# Altium PCB linux_board_PCB.PcbDoc (part 1 of 3) (continued)
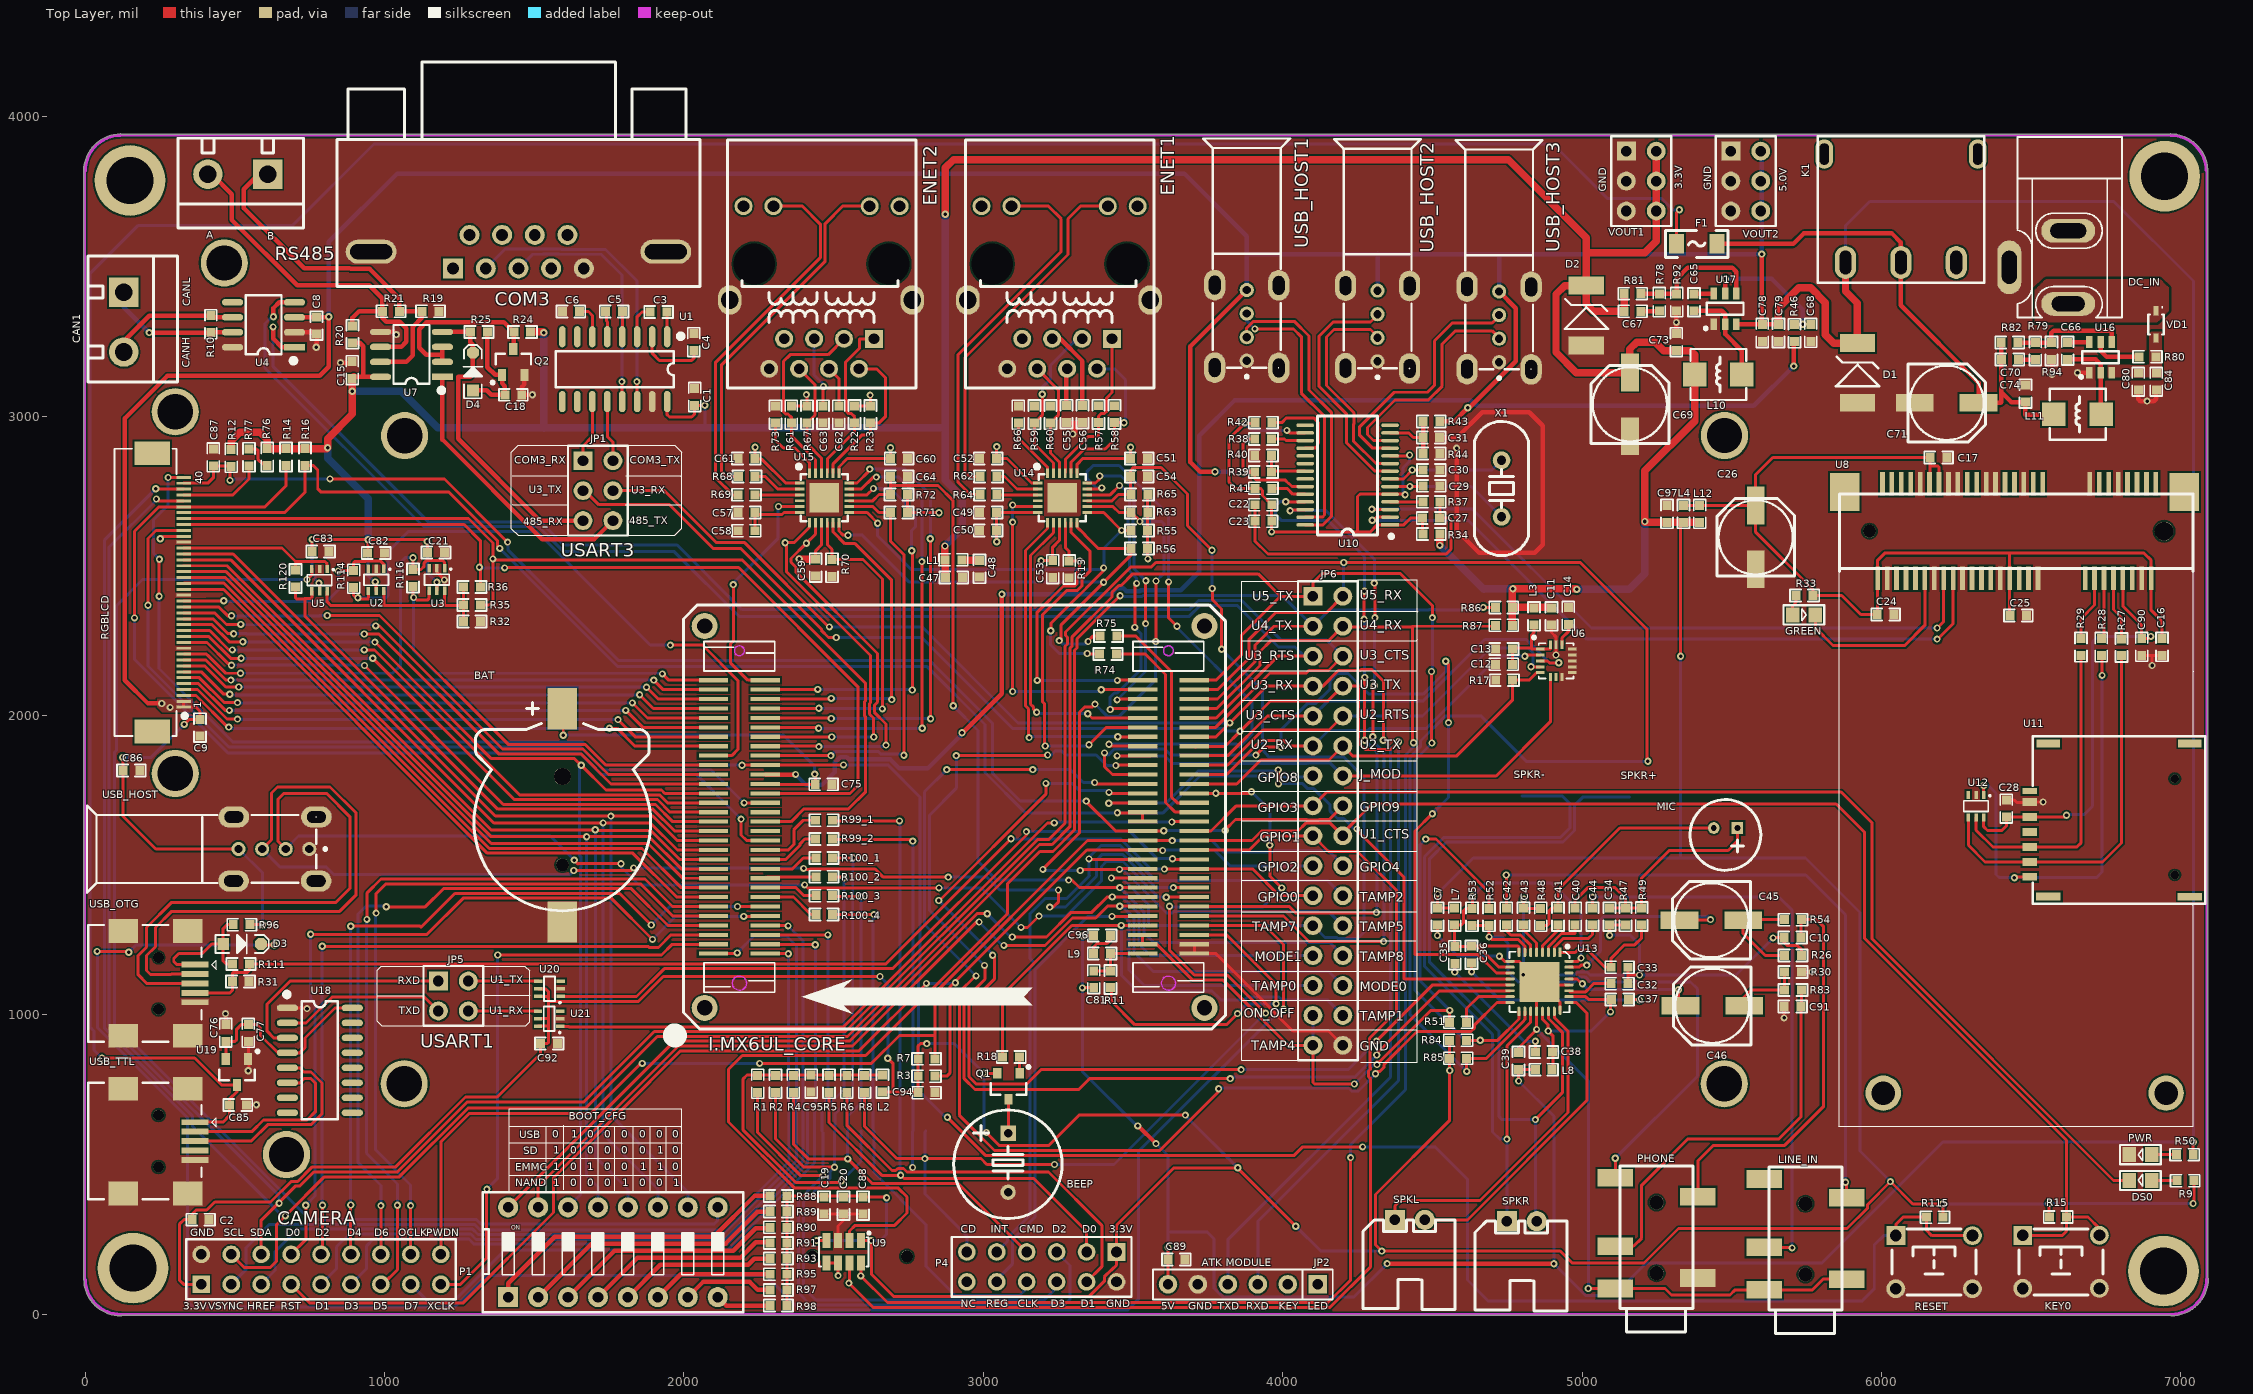
[diagram p0: Top Layer view]
## Footprints (in the part's own frame and the unit in brackets; to place one, negate y for a bottom-side part, rotate by r counter-clockwise, add the part's x,y. Pads: shape width x height; smd on the part's side, far side on the other; paste and mask are expansions set on the pad)
"BEEP 5x9x5.5" [mm]
  rect 1.3x1.3 hole 0.7: 1(0,-2.5)
  round 1.3 hole 0.7: 2(0,2.5)
  silkscreen extent -4.58,-4.47 4.62,4.72, body extent -4.5,-4.5 4.5,4.5, height 5.45
"C 0603" [mil]
  rect 30x30 smd: 1(-28.25,0) 2(28.25,0)
  silkscreen extent -48,-20 48,20, body extent -31,-16 32,16, height 32
"CM D(6.3*5.4)" [mm]
  rect 3.2x1.5 smd: 1(2.7,0) 2(-2.7,0)
  silkscreen extent -3.3,-3.3 3.3,3.3, body extent -3.5,-3.3 3.5,3.3, height 5.4
CR1220_B [mm]
  round 1.1 hole 1.1: 0(-3.6,0)
  round 1.45 hole 1.45: 0(3.9,0)
  rect 3.5x2.5 smd: 1(9.652,0) 2(-8.458,0)
  silkscreen extent -7.5,-7.5 10.16,7.5, body extent -9.42,-7.45 10.34,7.45, height 4.05
"CSW DIP-8P" [mm]
  rect 1.7x1.7 hole 0.9: 1(-8.89,-3.81)
  round 1.7 hole 0.9: 2(-6.35,-3.81) 3(-3.81,-3.81) 4(-1.27,-3.81) 5(1.27,-3.81) 6(3.81,-3.81) 7(6.35,-3.81) 8(8.89,-3.81) 9(8.89,3.81) 10(6.35,3.81) 11(3.81,3.81) 12(1.27,3.81) 13(-1.27,3.81) 14(-3.81,3.81) 15(-6.35,3.81) 16(-8.89,3.81)
  silkscreen extent -11.05,-5.08 11.05,5.08, body extent -10.94,-4.95 10.94,4.95, height 6.65
DB9/P_A [mm]
  rect 1.7x1.7 hole 1: 1(5.546,0)
  round 1.7 hole 1: 2(2.773,0) 3(0,0) 4(-2.773,0) 5(-5.546,0) 6(4.155,-2.84) 7(1.385,-2.84) 8(-1.385,-2.84) 9(-4.155,-2.84)
  oval 4.318x2.032 hole 1.27 slot 3.556 at 0 deg: 10(12.5,-1.42) 11(-12.5,-1.42)
  silkscreen extent -15.4,-17.53 15.4,1.52, body extent -15.45,-17.25 15.45,1.25, height 12.65
DC10B [mil]
  oval 80x180 hole 50 slot 110 at 90 deg: 1(419.09,170)
  oval 80x180 hole 50 slot 120 at 90 deg: 2(175,170)
  oval 180x80 hole 50 slot 110 at 0 deg: 3(297.05,-26.85)
  silkscreen extent -138,0 465,350, body extent -131,-18 422,348, height 441
FPC0.5-TOP40P [mm]
  rect 0.25x1.2 smd: 1(-9.737,-1.326) 2(-9.237,-1.326) 3(-8.737,-1.326) 4(-8.237,-1.326) 5(-7.737,-1.326) 6(-7.237,-1.326) 7(-6.737,-1.326) 8(-6.237,-1.326) 9(-5.737,-1.326) 10(-5.237,-1.326) 11(-4.737,-1.326) 12(-4.237,-1.326) 13(-3.737,-1.326) 14(-3.237,-1.326) 15(-2.737,-1.326) 16(-2.237,-1.326) 17(-1.737,-1.326) 18(-1.237,-1.326) 19(-0.737,-1.326) 20(-0.237,-1.326) 21(0.263,-1.326) 22(0.763,-1.326) 23(1.263,-1.326) 24(1.763,-1.326) 25(2.263,-1.326) 26(2.763,-1.326) 27(3.263,-1.326) 28(3.763,-1.326) 29(4.263,-1.326) 30(4.763,-1.326) 31(5.263,-1.326) 32(5.763,-1.326) 33(6.263,-1.326) 34(6.763,-1.326) 35(7.263,-1.326) 36(7.763,-1.326) 37(8.263,-1.326) 38(8.763,-1.326) 39(9.263,-1.326) 40(9.763,-1.326)
  rect 2x3 smd: A(-11.8,1.326) B(11.8,1.326)
  silkscreen extent -12.19,-1.58 12.19,4.54, body extent -12.08,-1.35 12.12,4.65, height 2
"FU 1206" [mil]
  rect 50x65 smd: 1(-67.5,0) 2(67.5,0)
  silkscreen extent -105,-45 105,45, body extent -63,-32 63,32, height 34
HDR2X6 [mm]
  rect 1.5x1.5 hole 0.9: 1(-6.35,-1.27)
  round 1.5 hole 0.9: 2(-6.35,1.27) 3(-3.81,-1.27) 4(-3.81,1.27) 5(-1.27,-1.27) 6(-1.27,1.27) 7(1.27,-1.27) 8(1.27,1.27) 9(3.81,-1.27) 10(3.81,1.27) 11(6.35,-1.27) 12(6.35,1.27)
  silkscreen extent -7.62,-2.54 7.62,2.54, body extent -7.62,-2.54 7.62,2.54, height 8.5
HDR2X9 [mm]
  rect 1.5x1.5 hole 0.9: 1(-10.16,-1.27)
  round 1.5 hole 0.9: 2(-10.16,1.27) 3(-7.62,-1.27) 4(-7.62,1.27) 5(-5.08,-1.27) 6(-5.08,1.27) 7(-2.54,-1.27) 8(-2.54,1.27) 9(0,-1.27) 10(0,1.27) 11(2.54,-1.27) 12(2.54,1.27) 13(5.08,-1.27) 14(5.08,1.27) 15(7.62,-1.27) 16(7.62,1.27) 17(10.16,-1.27) 18(10.16,1.27)
  silkscreen extent -11.43,-2.54 11.43,2.54, body extent -11.43,-2.54 11.43,2.54, height 8.5
HDR-2X2 [mm]
  rect 1.6x1.6 hole 0.9: 1(0,0)
  round 1.6 hole 0.9: 2(0,2.54) 3(2.54,0) 4(2.54,2.54)
  silkscreen extent -1.27,-1.27 3.81,3.81, body extent -1.27,-1.27 3.81,3.81, height 8.5
HDR-3X2 [mm]
  rect 1.6x1.6 hole 0.9: 1(0,0)
  round 1.6 hole 0.9: 2(0,2.54) 3(2.54,0) 4(2.54,2.54) 5(5.08,0) 6(5.08,2.54)
  silkscreen extent -1.27,-1.27 6.35,3.81, body extent -1.27,-1.27 6.35,3.81, height 8.5
HDR-16X2 [mm]
  rect 1.6x1.6 hole 0.9: 1(0,0)
  round 1.6 hole 0.9: 2(0,2.54) 3(2.54,0) 4(2.54,2.54) 5(5.08,0) 6(5.08,2.54) 7(7.62,0) 8(7.62,2.54) 9(10.16,0) 10(10.16,2.54) 11(12.7,0) 12(12.7,2.54) 13(15.24,0) 14(15.24,2.54) 15(17.78,0) 16(17.78,2.54) 17(20.32,0) 18(20.32,2.54) 19(22.86,0) 20(22.86,2.54) 21(25.4,0) 22(25.4,2.54) 23(27.94,0) 24(27.94,2.54) 25(30.48,0) 26(30.48,2.54) 27(33.02,0) 28(33.02,2.54) 29(35.56,0) 30(35.56,2.54) 31(38.1,0) 32(38.1,2.54)
  silkscreen extent -1.27,-1.27 39.37,3.81, body extent -1.27,-1.27 39.37,3.81, height 8.5
HEAD6 [mil]
  rect 62x62 hole 35: 1(0.42,0.43)
  round 62 hole 35: 2(100.42,0.43) 3(200.42,0.43) 4(300.42,0.43) 5(400.42,0.43) 6(500.42,0.43)
  silkscreen extent -50,-50 550,51, body extent -50,-50 550,50, height 335
I.MX6UL_CORE [mm]
  round 2.2 hole 1.3: 0(-16.2,-21.2) 0(-16.2,21.2) 0(16.2,-21.2) 0(16.2,21.2)
  rect 0.35x2.5 smd: J1_1(-11.6,20.45) J1_2(-10.8,20.45) J1_3(-10,20.45) J1_4(-9.2,20.45) J1_5(-8.4,20.45) J1_6(-7.6,20.45) J1_7(-6.8,20.45) J1_8(-6,20.45) J1_9(-5.2,20.45) J1_10(-4.4,20.45) J1_11(-3.6,20.45) J1_12(-2.8,20.45) J1_13(-2,20.45) J1_14(-1.2,20.45) J1_15(-0.4,20.45) J1_16(0.4,20.45) J1_17(1.2,20.45) J1_18(2,20.45) J1_19(2.8,20.45) J1_20(3.6,20.45) J1_21(4.4,20.45) J1_22(5.2,20.45) J1_23(6,20.45) J1_24(6.8,20.45) J1_25(7.6,20.45) J1_26(8.4,20.45) J1_27(9.2,20.45) J1_28(10,20.45) J1_29(10.8,20.45) J1_30(11.6,20.45) J1_31(11.6,16.05) J1_32(10.8,16.05) J1_33(10,16.05) J1_34(9.2,16.05) J1_35(8.4,16.05) J1_36(7.6,16.05) J1_37(6.8,16.05) J1_38(6,16.05) J1_39(5.2,16.05) J1_40(4.4,16.05) J1_41(3.6,16.05) J1_42(2.8,16.05) J1_43(2,16.05) J1_44(1.2,16.05) J1_45(0.4,16.05) J1_46(-0.4,16.05) J1_47(-1.2,16.05) J1_48(-2,16.05) J1_49(-2.8,16.05) J1_50(-3.6,16.05) J1_51(-4.4,16.05) J1_52(-5.2,16.05) J1_53(-6,16.05) J1_54(-6.8,16.05) J1_55(-7.6,16.05) J1_56(-8.4,16.05) J1_57(-9.2,16.05) J1_58(-10,16.05) J1_59(-10.8,16.05) J1_60(-11.6,16.05) J2_1(-11.6,-15.95) J2_2(-10.8,-15.95) J2_3(-10,-15.95) J2_4(-9.2,-15.95) J2_5(-8.4,-15.95) J2_6(-7.6,-15.95) J2_7(-6.8,-15.95) J2_8(-6,-15.95) J2_9(-5.2,-15.95) J2_10(-4.4,-15.95) J2_11(-3.6,-15.95) J2_12(-2.8,-15.95) J2_13(-2,-15.95) J2_14(-1.2,-15.95) J2_15(-0.4,-15.95) J2_16(0.4,-15.95) J2_17(1.2,-15.95) J2_18(2,-15.95) J2_19(2.8,-15.95) J2_20(3.6,-15.95) J2_21(4.4,-15.95) J2_22(5.2,-15.95) J2_23(6,-15.95) J2_24(6.8,-15.95) J2_25(7.6,-15.95) J2_26(8.4,-15.95) J2_27(9.2,-15.95) J2_28(10,-15.95) J2_29(10.8,-15.95) J2_30(11.6,-15.95) J2_31(11.6,-20.35) J2_32(10.8,-20.35) J2_33(10,-20.35) J2_34(9.2,-20.35) J2_35(8.4,-20.35) J2_36(7.6,-20.35) J2_37(6.8,-20.35) J2_38(6,-20.35) J2_39(5.2,-20.35) J2_40(4.4,-20.35) J2_41(3.6,-20.35) J2_42(2.8,-20.35) J2_43(2,-20.35) J2_44(1.2,-20.35) J2_45(0.4,-20.35) J2_46(-0.4,-20.35) J2_47(-1.2,-20.35) J2_48(-2,-20.35) J2_49(-2.8,-20.35) J2_50(-3.6,-20.35) J2_51(-4.4,-20.35) J2_52(-5.2,-20.35) J2_53(-6,-20.35) J2_54(-6.8,-20.35) J2_55(-7.6,-20.35) J2_56(-8.4,-20.35) J2_57(-9.2,-20.35) J2_58(-10,-20.35) J2_59(-10.8,-20.35) J2_60(-11.6,-20.35)
  Top Layer keep-out circle w0.127: c-14.1,18.25 r0.6
  Top Layer keep-out circle w0.127: c14.1,18.25 r0.42
  Top Layer keep-out circle w0.127: c14.1,-18.15 r0.42
  Top Layer keep-out circle w0.127: c-14.1,-18.15 r0.6
  silkscreen extent -19.04,-23 18,24.23, body extent -14.9,-21.16 14.9,21.29, height 5.65
KF301-2P [mm]
  rect 2.5x2.5 hole 1.5: 1(0,0)
  round 2.5 hole 1.5: 2(5.08,0)
  silkscreen extent -3.05,-3.05 7.62,4.57, body extent -2.87,-3 7.63,4.6, height 10.05
"L 0603" [mil]
  rect 30x30 smd mask+2: 1(-28.25,0) 2(28.25,0)
  silkscreen extent -48,-20 48,20, body extent -32,-16 31,16, height 31
L-SMD-0420 [mm]
  rect 2x2 smd: 1(-2,0) 2(2,0)
  silkscreen extent -2.39,-2.16 2.36,2.17, body extent -2.26,-2.06 2.24,2.04, height 1.91
"LED 0805R" [mil]
  rect 45x50 smd: 1(-40,0) 2(36.01,0)
  silkscreen extent -70,-32 66,32, body extent -39,-25 39,25, height 32
LGA-16-3*3*0.75 [mm]
  rect 0.7x0.25 smd: 1(-0.09,0) 2(-0.09,-0.5) 3(-0.09,-1) 4(-0.09,-1.5) 5(-0.09,-2) 9(2.64,-2) 10(2.64,-1.5) 11(2.64,-1) 12(2.64,-0.5) 13(2.64,0)
  rect 0.25x0.7 smd: 6(0.775,-2.365) 7(1.275,-2.365) 8(1.775,-2.365) 14(1.775,0.365) 15(1.275,0.365) 16(0.775,0.365)
  silkscreen extent -0.74,-2.5 2.74,1.11, body extent -0.29,-2.55 2.82,0.55, height 0.76
MIC-6022 [mm]
  rect 1x1 hole 0.5: 1(0,0)
  round 1 hole 0.5: 2(2,0)
  silkscreen extent -1.99,-2.41 4.01,3.58
"Micro SD" [mm]
  rect 2.032x2.2 smd: 0(0,0) 0(15.5,0)
  rect 1.2x1.4 smd: 0(0,9.6)
  round 1 hole 1 unplated: 0(2.9,-0.4) 0(10.9,-0.4)
  rect 1.6x1.4 smd: 0(14.7,9.6)
  rect 0.7x1.8 smd: 1(10.1,10.227) 2(9,10.227) 3(7.9,10.227) 4(6.8,10.227) 5(5.7,10.227) 6(4.6,10.227) 7(3.5,10.227) 8(2.4,10.227) 9(1.3,10.227)
  silkscreen extent -0.72,-4.68 16.27,11.75, body extent -0.27,-4.63 16,10.57, height 1.8
"Mini PCIE 52P" [mm]
  rect 0.4x2 smd: 1(26.419,8.465) 2(26.019,0.444) 3(25.619,8.465) 4(25.219,0.444) 5(24.819,8.465) 6(24.419,0.444) 7(24.019,8.465) 8(23.619,0.444) 9(23.219,8.465) 10(22.819,0.444) 11(22.419,8.465) 12(22.019,0.444) 13(21.619,8.465) 14(21.219,0.444) 15(20.819,8.465) 16(20.419,0.444) 17(16.819,8.465) 18(16.419,0.444) 19(16.019,8.465) 20(15.619,0.444) 21(15.219,8.465) 22(14.819,0.444) 23(14.419,8.465) 24(14.019,0.444) 25(13.619,8.465) 26(13.219,0.444) 27(12.819,8.465) 28(12.419,0.444) 29(12.019,8.465) 30(11.619,0.444) 31(11.219,8.465) 32(10.819,0.444) 33(10.419,8.465) 34(10.019,0.444) 35(9.619,8.465) 36(9.219,0.444) 37(8.819,8.465) 38(8.419,0.444) 39(8.019,8.465) 40(7.619,0.444) 41(7.219,8.465) 42(6.819,0.444) 43(6.419,8.465) 44(6.019,0.444) 45(5.619,8.465) 46(5.219,0.444) 47(4.819,8.465) 48(4.419,0.444) 49(4.019,8.465) 50(3.619,0.444) 51(3.219,8.465) 52(2.819,0.444)
  round 1.1 hole 1.1 unplated: k1(2.119,4.444)
  round 1.6 hole 1.6 unplated: k2(27.119,4.444)
  rect 2.5x3.2 smd: k3(0.019,7.765) k4(28.819,7.765)
  silkscreen extent -0.43,1.04 29.57,7.59
"Nano SIM 7P" [mm]
  rect 2.1x0.7 smd: 1(1.565,-1.67)
  rect 2x0.65 smd: 2(1.565,11.32) 3(13.565,11.32)
  rect 2.1x0.65 smd: 4(13.565,-1.67)
  rect 1.23x0.65 smd: C1(0,5.08) C2(0,2.54) C3(0,0) C5(0,6.35) C6(0,3.81) C7(0,1.27)
  rect 1.23x0.5 smd: C4(0,7.3)
  silkscreen extent 0.25,-2.29 14.86,11.94
PJ327A [mm]
  round 1.2 hole 1.2 unplated: 0(3,0) 0(9,0)
  rect 1.5x3 smd: 2(9.5,-3.5) 3(2.6,-3.5) 4(1.7,3.5) 5(5.3,3.5) 6(11.1,3.5)
  silkscreen extent -2,-3.1 12.1,3.1, body extent -1.95,-4.55 12.1,4.45, height 4.8
PKEY [mm]
  oval 2.8x1.8 hole 1 slot 2 at 0 deg: 1(-0.181,0.15) 2(-0.181,-4.55) 3(-0.181,-9.25)
  oval 2.5x1.5 hole 0.8 slot 1.8 at 0 deg: ""(9.017,-11.068) ""(9.017,1.951)
  silkscreen extent -1.91,-11.63 10.54,2.49
QFN8 [mm]
  rect 0.7x1.3 smd: 1(-1.455,-0.953) 2(-0.485,-0.953) 3(0.485,-0.953) 4(1.455,-0.953) 5(1.455,0.953) 6(0.485,0.953) 7(-0.485,0.953) 8(-1.455,0.953)
  silkscreen extent -2.24,-1.69 2.11,1.26
QFN24 [mm]
  rect 0.8x0.25 smd: 1(-2.101,1.25) 2(-2.101,0.75) 3(-2.101,0.25) 4(-2.101,-0.25) 5(-2.101,-0.75) 6(-2.101,-1.25) 13(2.101,-1.25) 14(2.101,-0.75) 15(2.101,-0.25) 16(2.101,0.25) 17(2.101,0.75) 18(2.101,1.25)
  rect 0.25x0.8 smd: 7(-1.25,-2.101) 8(-0.75,-2.101) 9(-0.25,-2.101) 10(0.25,-2.101) 11(0.75,-2.101) 12(1.25,-2.101) 19(1.25,2.101) 20(0.75,2.101) 21(0.25,2.101) 22(-0.25,2.101) 23(-0.75,2.101) 24(-1.25,2.101)
  rect 2.5x2.5 smd: 25(0,0)
  silkscreen extent -2.31,-2 2,2.79, body extent -2,-2 2,2, height 0.9
"QFN32 5x5_L" [mm]
  rect 0.25x0.8 smd: 1(-1.751,-2.5)
  oval 0.25x0.8 smd: 2(-1.25,-2.5) 3(-0.75,-2.5) 4(-0.25,-2.5) 5(0.25,-2.5) 6(0.75,-2.5) 7(1.25,-2.5) 8(1.75,-2.5) 17(1.75,2.5) 18(1.25,2.5) 19(0.75,2.5) 20(0.25,2.5) 21(-0.25,2.5) 22(-0.75,2.5) 23(-1.25,2.5) 24(-1.75,2.4)
  oval 0.8x0.25 smd: 9(2.5,-1.75) 10(2.5,-1.25) 11(2.5,-0.75) 12(2.5,-0.25) 13(2.5,0.25) 14(2.5,0.75) 15(2.5,1.25) 16(2.5,1.75) 25(-2.5,1.75) 26(-2.5,1.25) 27(-2.5,0.75) 28(-2.5,0.25) 29(-2.5,-0.25) 30(-2.5,-0.75) 31(-2.5,-1.25) 32(-2.5,-1.75)
  rect 3.4x3.4 smd: 33(0,0)
  silkscreen extent -2.55,-3.12 2.55,2.57, body extent -2.5,-2.5 2.5,2.5, height 0.93
"R 0603" [mil]
  rect 30x30 smd: 1(-28.25,0) 2(28.25,0)
  silkscreen extent -48,-20 49,20, body extent -32,-16 31,16, height 16
RJ-45A12 [mil]
  round 130 hole 137.8: 0(-192.91,485.83) 0(-192.91,35.83)
  rect 60x60 hole 35.43: 1(-442.91,85.83)
  round 60 hole 35.43: 2(-542.91,135.83) 3(-442.91,185.83) 4(-542.91,235.83) 5(-442.91,285.83) 6(-542.91,335.83) 7(-442.91,385.83) 8(-542.91,435.83)
  round 60 hole 40: 9(0,0) 10(0,100) 11(0,421.65) 12(0,521.65)
  oval 98.43x78.74 hole 59.06: 13(-312.99,-42.13) 14(-312.99,567.32)
  silkscreen extent -608,-54 222,576, body extent -605,-53 237,572, height 59
SMBJ [mm]
  rect 1.5x3 smd: 1(-2.413,0) 2(2.667,0)
  silkscreen extent -1.02,-1.85 1.52,1.83, body extent -2.67,-2.03 2.92,1.91, height 2.44
SOD323 [mm] "SODFL, 2-Leads, Body 1.25x2.50mm, IPC Medium Density"
  rect 0.8x0.45 smd: 1(-1.15,0) 2(1.15,0)
  silkscreen extent -1.5,-0.65 0.85,0.65, body extent -1.25,-0.65 1.25,0.65, height 1.05
SOD-123F [mm]
  rect 1x1 smd: 1(-1.6,0)
  oct 1x1 smd: 2(1.6,0)
  silkscreen extent -2.26,-0.84 2.26,0.81, body extent -1.9,-0.8 1.9,0.8, height 1.15
SOP8_N [mm]
  rect 1.8x0.55 smd: 1(-2.625,1.905)
  oval 1.8x0.55 smd: 2(-2.625,0.635) 3(-2.625,-0.635) 4(-2.625,-1.905) 5(2.625,-1.905) 6(2.625,-0.635) 7(2.625,0.635) 8(2.625,1.905)
  silkscreen extent -2.69,-2.5 1.52,3.2, body extent -3,-2.5 3,2.5, height 1.9
SOP16_N [mm]
  oval 1.8x0.55 smd: 1(-2.75,4.445) 2(-2.75,3.175) 3(-2.75,1.905) 4(-2.75,0.635) 5(-2.75,-0.635) 6(-2.75,-1.905) 7(-2.75,-3.175) 8(-2.75,-4.445) 9(2.75,-4.445) 10(2.75,-3.175) 11(2.75,-1.905) 12(2.75,-0.635) 13(2.75,0.635) 14(2.75,1.905) 15(2.75,3.175) 16(2.75,4.445)
  silkscreen extent -2.95,-5 1.52,5.74, body extent -3,-5 3,5, height 1.9
SOT23-3L [mm]
  rect 0.7x0.9 smd: 1(-0.95,-1.1) 2(0.95,-1.1) 3(0,1.1)
  silkscreen extent -1.82,-1.78 1.5,0.71, body extent -1.5,-1.19 1.5,1.21, height 1.05
SOT23-3N [mm]
  rect 0.7x1 smd: 1(-0.95,-1.1) 2(0.95,-1.1) 3(0,1.1)
  silkscreen extent -1.88,-1.88 1.5,0.7, body extent -1.5,-1.2 1.5,1.2, height 1.05
SOT23-6N [mm]
  rect 1x0.55 smd: 1(1.3,-0.95) 2(1.3,0) 3(1.3,0.95) 4(-1.3,0.95) 5(-1.3,0) 6(-1.3,-0.95)
  silkscreen extent -0.51,-1.78 1.78,1.55, body extent -1.4,-1.5 1.4,1.5, height 1.15
SOT363-6L [mm]
  rect 0.7x0.3 smd: 1(-0.95,0.65) 2(-0.95,0) 3(-0.95,-0.65) 4(0.95,-0.65) 5(0.95,0) 6(0.95,0.65)
  silkscreen extent -0.97,-1.04 0.46,1.24, body extent -1.05,-1 1.05,1, height 1
SSOP28_L [mm]
  rect 1.5x0.3 smd: 1(-3.6,4.225)
  oval 1.5x0.3 smd: 2(-3.6,3.575) 3(-3.6,2.925) 4(-3.6,2.275) 5(-3.6,1.625) 6(-3.6,0.975) 7(-3.6,0.325) 8(-3.6,-0.325) 9(-3.6,-0.975) 10(-3.6,-1.625) 11(-3.6,-2.275) 12(-3.6,-2.925) 13(-3.6,-3.575) 14(-3.6,-4.225) 15(3.6,-4.225) 16(3.6,-3.575) 17(3.6,-2.925) 18(3.6,-2.275) 19(3.6,-1.625) 20(3.6,-0.975) 21(3.6,-0.325) 22(3.6,0.325) 23(3.6,0.975) 24(3.6,1.625) 25(3.6,2.275) 26(3.6,2.925) 27(3.6,3.575) 28(3.6,4.225)
  silkscreen extent -3.83,-5 2.54,5.33, body extent -3.85,-5.1 3.85,5.1, height 1.65
TP-1.5 [mm]
  rrect50% 1.5x1.5 smd far side: 1(0,0)
"TSW DIP-6*6*5 - 2" [mm]
  rect 1.6x1.6 hole 1: 1(-3.25,2.25)
  round 1.6 hole 1: 1(3.25,2.25) 2(-3.25,-2.25) 2(3.25,-2.25)
  silkscreen extent -3.56,-2.79 3.56,2.79, body extent -4.11,-3 4.11,3, height 4.95
USB-A/S_E [mm]
  round 1.2 hole 0.7: 1(3.094,0) 2(1.094,0) 3(-0.906,0) 4(-2.906,0)
  oval 2.6x1.8 hole 1 slot 1.6 at 0 deg: 5(-3.513,-2.718) 5(-3.487,2.718) 5(3.487,-2.718) 5(3.513,2.718)
  silkscreen extent -4.38,-3.68 15.95,3.7, body extent -4.07,-3.61 15.18,3.64, height 14.45
USB-MINI-A [mm]
  rect 0.5x2.3 smd: 1(-1.6,3.108) 2(-0.8,3.108) 3(0,3.108) 4(0.8,3.108) 5(1.6,3.108)
  rect 2x2.5 smd: 5(-4.45,2.5) 5(-4.45,-3) 5(4.45,2.5) 5(4.45,-3)
  round 0.9 hole 0.9 unplated: MH1(2.2,0) MH2(-2.2,0)
  silkscreen extent -4.95,-5.95 4.95,4.89, body extent -4.75,-6 4.75,3.7, height 3.95
XH2.54-2P_H [mm]
  rect 1.7x1.7 hole 0.9: 1(0,0)
  round 1.7 hole 0.9: 2(2.54,0)
  silkscreen extent -2.72,-7.62 5.08,0, body extent -2.5,-7.35 5.04,0.35, height 5.73
"XTAL-49S DIP" [mm]
  round 1.5 hole 0.8: 1(-2.4,0) 2(2.4,0)
  silkscreen extent -5.7,-2.28 5.7,2.28, body extent -5.68,-2.35 5.68,2.3, height 3.5

## Part data
BAT: library part CR-3V, "微型电池", BOM名称=微型电池, 学习资源=www.ooocke.com, 版权归属=源创客
BEEP: "蜂鸣器", BOM名称=蜂鸣器, 学习资源=www.ooocke.com, 版权归属=源创客
BOOT_CFG: "8路编码开关", BOM名称=8路编码开关, 学习资源=www.ooocke.com, 版权归属=源创客
C1 C2 C3 C4 C5 C6 C7 C8 C9 C10 C11 C12 C13 C14 C15 C16 C17 C18 C19 C20 C21 C22 C23 C24 C25 C27 C28 C29 C30 C31 C32 C33 C34 C35 C36 C37 C38 C39 C40 C41 C42 C43 C44 C47 C48 C49 C50 C51 C52 C53 C54 C55 C56 C57 C58 C59 C60 C61 C62 C63 C64 C65 C66 C67 C68 C70 C73 C74 C75 C76 C77 C78 C79 C80 C81 C82 C83 C84 C85 C86 C87 C88 C89 C90 C91 C92 C94 C95 C96 C97: library part C
C26 C45 C46 C69 C71: library part C-CM, "贴片电解电容", BOM名称=贴片电解电容, 学习资源=www.ooocke.com, 版权归属=源创客
CAN1 RS485: library part HEAD2
COM3: library part DB9, "9针串口", BOM名称=9针串口, 学习资源=www.ooocke.com, 版权归属=源创客
D1 D2: library part SMBJ, "TVS"
D3 D4 VD1: library part SS14, "肖特基二极管", BOM名称=肖特基二极管, 学习资源=www.ooocke.com, 属性=40V/1A, 版权归属=源创客
DC_IN: library part P-DC, "低压电源接口", BOM名称=DC电源接口, 学习资源=www.ooocke.com, 版权归属=源创客
DS0 GREEN PWR: library part LED-SMD, "贴片LED", BOM名称=贴片LED, 学习资源=www.ooocke.com, 版权归属=源创客
ENET1 ENET2: "带灯以太网接口", BOM名称=带灯以太网接口, 学习资源=www.ooocke.com, 版权归属=源创客
F1: library part FU, "贴片保险丝", BOM名称=贴片保险丝, 学习资源=www.ooocke.com, 版权归属=源创客
I.MX6UL_CORE: library part I.MX6UL核心板, "I.MX6UL核心板"
JP1 VOUT1 VOUT2: library part "Header 3X2", "3*2P接插件", BOM名称=3*2P接插件, 学习资源=www.ooocke.com, 版权归属=源创客
JP2: library part ATK-HC05, "ATK-HC05"
JP5: library part "Header 2X2", "2*2P接插件", BOM名称=2*2P接插件, 学习资源=www.ooocke.com, 版权归属=源创客
JP6: library part "Header 16X2", "16*2P接插件", BOM名称=16*2P接插件, 学习资源=www.ooocke.com, 版权归属=源创客
K1: library part PKEY
KEY0 RESET: "按键", BOM名称=3x6轻触开关, 学习资源=www.ooocke.com, 版权归属=源创客
L1 L2 L3 L4 L7 L8 L9 L12: library part L, "小功率贴片电感磁珠", BOM名称=小功率贴片电感, 学习资源=www.ooocke.com, 版权归属=源创客
L10 L11: library part L-CDRH, "功率屏蔽电感", BOM名称=功率屏蔽电感, 学习资源=www.ooocke.com, 版权归属=源创客
P1: "Header, 9-Pin, Dual row", LatestRevisionDate=17-Jul-2002, LatestRevisionNote="Re-released for DXP Platform.", Publisher="Altium Limited"
P4: "Header, 6-Pin, Dual row", LatestRevisionDate=17-Jul-2002, LatestRevisionNote="Re-released for DXP Platform.", Publisher="Altium Limited"
Q1: library part 8550-SMD, "高频放大-PNP型", BOM名称=高频放大-PNP型, 学习资源=www.ooocke.com, 属性="40V 1.5A 1W 100MHZ", 版权归属=源创客
Q2: library part 8050-SMD, "高频放大-NPN型", BOM名称=高频放大-NPN型, 学习资源=www.ooocke.com, 属性="40V 1.5A 1W 100MHZ", 版权归属=源创客
R1 R2 R3 R4 R5 R6 R7 R8 R9 R10 R11 R12 R13 R14 R15 R16 R17 R18 R19 R20 R21 R22 R23 R24 R25 R26 R27 R28 R29 R30 R31 R32 R33 R34 R35 R36 R37 R38 R39 R40 R41 R42 R43 R44 R46 R47 R48 R49 R50 R51 R52 R53 R54 R55 R56 R57 R58 R59 R60 R61 R62 R63 R64 R65 R66 R67 R68 R69 R70 R71 R72 R73 R74 R75 R76 R77 R78 R79 R80 R81 R82 R83 R84 R85 R86 R87 R88 R89 R90 R91 R92 R93 R94 R95 R96 R97 R98 R99_1 R99_2 R100_1 R100_2 R100_3 R100_4 R111 R114 R115 R116 R120: library part R
RGBLCD: "16*2P接插件", BOM名称=16*2P接插件, 学习资源=www.ooocke.com, 版权归属=源创客
SPKL SPKR: library part "Header 2", "2P接插件", BOM名称=2P接插件, 学习资源=www.ooocke.com, 版权归属=源创客
SPKR+ SPKR-: library part TEST-POINT, "测试点"
TF_CARD: "Micro SD卡", BOM名称="Micro SD卡", 学习资源=www.ooocke.com, 版权归属=源创客
U1: library part MAX3232
U2 U3 U5 U20 U21: "单路双掷模拟开关"
U4: library part SN65HVD230D
U6: library part ICM20608, "三轴陀螺仪/三轴加速度计,"
U7: library part MAX3485
U8: library part 4G-EC20
U9: "ALS+PS Sensor"
U14 U15: library part LAN8720, "ETH PHY"
U16 U17: "DC降压芯片"
U18: library part CH340G, "USB2UART"
U19: library part "LDO XC6206", "LDO", Package=SOT-23, SuppliersPartNumber=C5446, ComponentLink1Description=供应商链接, ComponentLink1URL=http://www.szlcsc.com/product/details_5896.html, Supplier=LC
USB_HOST USB_HOST1 USB_HOST2 USB_HOST3: library part USB-A/S, "USB-A型母接口", BOM名称=USB-A型母接口, 学习资源=www.ooocke.com, 版权归属=源创客
USB_OTG USB_TTL: "微型USB母座", BOM名称=微型USB母座, 学习资源=www.ooocke.com, 版权归属=源创客
X1: library part XTAL-2P, "2脚无源晶振", BOM名称=2脚晶振, 学习资源=www.ooocke.com, 版权归属=源创客

## Free pads (board coordinates)
  round 236.22 hole 157.48: 0(150,3787) 0(160,154) 0(6942,144) 0(6946,3801)
  round 157.48 hole 118.11: 0(300.85,1806.13) 0(300.85,3014.23) 0(464.96,3511.42) 0(672.62,533.43) 0(1065.51,769.94) 0(1067.13,2934.72) 0(5474.96,769.94) 0(5475.77,2935.01)
  round 118.11 hole 78.74: 0(6006.08,738.5) 0(6950.96,738.5)

## Via types
v1: diameter 24, hole 12, Top Layer to Bottom Layer, tented both sides, 317 vias
v2: diameter 24, hole 12, Top Layer to Bottom Layer, 127 vias
v3: diameter 29.53, hole 29.53, Top Layer to Bottom Layer, 2 vias

## Nets (pads, with @x,y where several pads share a name; then routed paths per layer and width w, separated by ;. In a path a pad name is that pad's centre, name@x,y a point inside that pad or via, vN(x,y) a via of type N, cw(c..) or ccw(c..) an arc to the next point about the centre after c; other vN are vias at no path point)
3V3_DCDC: C1.1 C2.1 C7.2 C11.1 C15.1 C19.2 C20.2 C21.2 C47.2 C67.2 C69.1 C73.2 C82.2 C83.2 C88.1 C92.2 C94.2 C97.2 D2.2 L1.1 L2.2 L3.2 L4.2 L7.1 L10.2 L12.2 P1.1 P4.1 Q1.2 R3.2 R7.2 R9.1 R12.2 R14.2 R15.1 R16.2 R20.1 R24.2 R34.1 R76.2 R81.1 R84.1 R85.1 R86.1 R87.1 R88.1 R89.1 R90.1 R91.1 R93.1 R95.1 R97.1 R98.1 R115.2 U1.16 U2.5 U3.5 U5.5 U7.8 U9.1 U9.4 U20.5 U20.6 U21.5 U21.6 VOUT1.2 VOUT1.4 VOUT1.6 | length 29070.3
  Top Layer w10: P1.1@388,100 329,100 316,113 316,302 330,316 C2.1@357.75,316 357.75,334.75 371,348 406,348 433,375 619.47,375 688.17,443.69 709.79,443.69 757.1,491 1036.12,491 1270.62,725.5 1376.5,725.5 1521.75,870.75 C92.2@1521.75,904 1544,904 1547,907 1547,962 ; C83.2@757.75,2548 757.75,2587.75 v1(758,2588) 1136,2588 v1(1143,2581) 1143,2544.5 C21.2@1143.5,2544 ; v1(781,2442) 783,2440 U5.5@783,2414.6 ; C82.2@943.75,2543 945,2544.25 v1(945,2587) ; v1(969,2446) 972,2443 U2.5@972,2415.6 ; U3.5@1175,2416.6 v1(1175,2445) ; U21.6@1512.6,961.41 1513.19,962 1547,962 ; U21.5@1512.6,987 1546,987 ; U20.6@1513.6,1061.41 1542.59,1061.41 1547,1057 ; U20.5@1513.6,1087 1538,1087 1547,1078 1547,1057 ; U1.16@1944,3048.46 1943,3047.46 1943,3006 1952,2997 2026,2997 2036,3007 C1.1@2036,3035.75 2069.75,3035.75 v1(2070,3036) ; R98.1@2344.25,29 R97.1@2344.25,81.29 R95.1@2344.25,133.57 R93.1@2344.25,185.86 R91.1@2344.25,238.14 R90.1@2344.25,290.43 R89.1@2344.25,342.71 R88.1@2344.25,395 2594,395 C88.1@2598,391 2675,391 v1(2677,389) ; v1(2443,246) 2443.06,246.06 U9.4@2476.62,246.06 ; U9.1@2591.19,246.06 2625.94,246.06 v1(2626,246) 2626,134 2700,60 3354.31,60 3404.47,110.16 3404.47,124.79 3428.21,148.53 3429.53,148.53 3445,164 P4.1@3445,208 3445,297 3637,489 v2(3850,489) 3850,488 v2(4044,294) ; v2(2655,1128) 1931.12,1128 1848.12,1045 1607.23,1045 1606.74,1044.5 1549.5,1044.5 1547,1042 ; L2.2@2663.36,742.25 2699,742.25 ; v2(2681,855) 2699,837 2699,742.25 ; v1(2811,904) 2790,904 2782.5,896.5 C94.2@2782.5,740 2780.25,742.25 2699,742.25 ; v1(3002,805) 3002.69,804.31 Q1.2@3046.6,804.31 ; v2(3010.25,607) 3054.25,563 3218,563 3320,665 v2(3675,665) ; v1(4518,1405) 4517,1404 C7.2@4517,1356.5 4574.38,1356.5 L7.1@4574.63,1356.25 ; R84.1@4557.75,915 R85.1@4557.75,855 4557.75,647.75 4310,400 4310,232 v2(4331,211) 4927,211 4967,171 5207,171 5322,286 5885.25,286 5953.85,354.6 5953.85,366.85 v2(6030,443) 6105,368 v1(6203,368) 6206.25,364.75 R115.2@6206.25,324 ; R86.1@4767.25,2361 4769,2359.25 L3.2@4839,2359.25 C11.1@4898,2359.25 ; v2(5329,2198) 5329,2634.75 L4.2@5339,2644.75 ; v1(6560,370) 6560,326.75 R15.1@6561.75,325 ; v1(7041,370) 7043.25,372.25 R9.1@7043.25,446 ; 1547,962 1547,1042 ; 1547,1042 1547,1057
  Top Layer w15: R20.1@893,3244.75 917.25,3244.75 929,3233 929,3131 ; C15.1@897.12,3130.87 U7.8@986.76,3130.87
  Top Layer w25: R12.2@488,2888.5 488,2917 517,2946 585,2946 608,2923 R76.2@608,2891.25 R14.2@671,2891.25 R16.2@734,2891.25 807.25,2891.25 v1(810,2894) 810,2925 892,3007 v1(892,3083) 893,3084 893,3126.75 C15.1@897.12,3130.87 ; R24.2@1488.36,3280.87 1530.13,3280.87 v1(1532,3279) ; v1(2872,2566) L1.1@2872,2520 2873.5,2518.5 C47.2@2873.5,2461 ; v2(2873,3674) 2873,3829 2901,3857 4753,3857 5014,3596 5014,3545 ; v1(4525.25,2568) R34.1@4525.25,2606 ; R87.1@4767.25,2301 R86.1@4767.25,2361 ; C11.1@4898,2361 R86.1@4767.25,2361 ; v2(4982,2421) 4980,2423 v2(4769,2423) 4767.25,2421.25 R86.1@4767.25,2361 ; R81.1@5140.75,3409 C67.2@5140.75,3350 5037,3350 5014,3373 D2.2@5014,3436 ; v2@5210,2645 L12.2@5393,2645 ; v2(5210,2648) 5210,2817 5376.26,2983.26 L10.2@5376.26,3139 5376.26,3204.74 5362.25,3218.75 C73.2@5315,3218.75 5272.25,3218.75 5245,3246 5182,3246 5160,3224 C69.1@5160,3145.3 4981.3,3145.3 4981,3145 4913,3213 4913,3407 4942,3436 D2.2@5014,3436 ; VOUT1.2@5248,3885 VOUT1.4@5248,3785 VOUT1.6@5248,3685 5248,3584 5209,3545 5014,3545 ; D2.2@5014,3436 5014,3545
  Bottom Layer w10: v1(758,2588) 758,2475.18 768,2465.18 768,2455 v1(781,2442) ; v1(945,2587) 945,2468.5 943.75,2467.25 969,2442 v1(969,2446) ; v1(1143,2581) 1143,2477 v1(1175,2445) ; 2070,2961 v1(2070,3036) ; v1(2443,246) v1(2626,246) 2656,246 2677,267 v1(2677,389) ; v2(2655,1128) 2681,1102 v2(2681,855) ; v1(2811,904) 2903,904 v1(3002,805) 3002,615.25 v2(3010.25,607) ; v2(3675,665) 3675,664 v2(3850,489) ; v2(4044,294) 4127,211 v2(4331,211) ; v1(4518,1405) 4637,1524 5329,1524 ; v2(5329,2198) 5329,1524 ; v2(6030,443) 5928,545 5928,1342 5746,1524 5329,1524 ; v1(6203,368) 6548,368 6553,363 v1(6560,370) v1(7041,370)
  Bottom Layer w25: v1(810,2894) 810,2859 945,2724 v1(945,2587) ; v1(892,3083) 1056.38,3083 1178.38,2961 1531,2961 1532,2960 1532,2961 ; v1(1532,3279) 1532,2961 ; v1(2872,2566) 2929,2623 2929,2730 2873,2786 2873,2961 ; v2(2873,3674) 2873,2961 ; v1(4525.25,2568) 4672.25,2421 4674.25,2423 v2(4769,2423) ; v2(4982,2421) 5158,2421 5210,2473 v2(5210,2648) ; 1532,2961 2070,2961 2873,2961
  other v1: 4558,814
4G_1V8: U8.11
4G_3V3: C16.2 C17.2 C24.2 C25.2 C26.1 L4.1 L12.1 R33.2 U8.2 U8.24 U8.39 U8.41 U8.52 | length 3346.6
  Top Layer w10: L4.1@5339,2697.25 5343.05,2701.3 C26.1@5580,2701.3 ; U8.41@6160.77,2773.78 6162.75,2775.76 6162.75,2833 ; U8.39@6192.27,2773.78 6192.27,2829.73 6189,2833 6162.75,2833 ; C25.2@6427.75,2334 6427.75,2350 6428.49,2349.26 U8.24@6428.49,2458 6428.49,2540.49 6430,2542 ; C16.2@6937,2257.25 6937,2315 6900.93,2351.07 U8.2@6900.93,2458 6900.93,2518.07 6877,2542 6430,2542 ; C26.1@5580,2701.3 5580,2805 5637,2862 C17.2@6162.75,2862 6162.75,2833 ; C26.1@5580,2701.3 5580,2612 5771.25,2420.75 R33.2@5771.25,2401 5867,2401 5931,2337 5979,2337 5987.54,2345.54 U8.52@5987.54,2458 5987.54,2518.54 6011,2542 6430,2542
5V_DCDC: C8.1 C9.1 C39.1 C78.2 C79.2 C81.2 C86.1 C89.1 C96.2 D1.2 JP2.6 K1.1 L8.1 R38.1 R39.1 R43.1 R50.1 R96.2 RGBLCD.1 RGBLCD.2 U4.3 U10.23 U17.3 USB_HOST1.1 USB_HOST2.1 USB_HOST3.1 USB_HOST.1 VOUT2.2 VOUT2.4 VOUT2.6 | length 22782.6
  Top Layer w10: v1(125,1860) 126.75,1858.25 C86.1@126.75,1816 126.75,1663.25 236,1554 USB_HOST.1@512.49,1554 ; RGBLCD.2@329.21,2047.33 RGBLCD.1@329.21,2027.64 370.36,2027.64 384,2014 C9.1@384,1987.25 348.25,1987.25 v1(331,1970) ; R96.2@551.25,1301 v1(593,1301) ; v1(3331,1090) 3331.75,1090.75 C81.2@3369,1090.75 ; v1(3332,1264) 3333,1265 C96.2@3368.75,1265 ; JP2.6@3617,100 3616.75,100.25 C89.1@3616.75,183 3616.75,222.75 v1(3617,223) ; v1(3867,2812) 3867,2908 3882.27,2923.27 R38.1@3906.75,2923.27 ; R39.1@3906.75,2813.56 3906.75,2792.25 3912,2787 4007,2787 4019.42,2774.58 4021.05,2774.58 4031.01,2764.61 U10.23@4075.27,2764.61 ; v1(4788,779) 4787.5,779.5 C39.1@4787.5,817.81 4788.31,817 L8.1@4843.75,817 ; R50.1@7041.5,533 7041.5,575.5 v1@7042,576
  Top Layer w15: v2(256,2040) 210,2040 132,2118 132,2992 275,3135 784,3135 814,3165 v1(814,3332) 812.25,3330.25 C8.1@773,3330.25 699.6,3330.25 U4.3@699.35,3330 ; v2(3516,629) 3518,629 v2(3577,570) ; v2(3774,2814) 3724,2814 3692,2846 3692,3233 USB_HOST1.1@3880,3421 ; v1(3867,2812) 3868.56,2813.56 R39.1@3906.75,2813.56 ; v2(4349,169) 4349.53,168.47 v2(4906,168.47) ; R43.1@4525.25,2982 4572,2982 v1(4618,3028) 4623.72,3028 4779,3183.28 4779,3360 USB_HOST3.1@4723,3416 ; U17.3@5515.4,3306.82 5516.22,3306 C78.2@5602,3306 ; v2(5600,3541) 5600,3308 C78.2@5602,3306 ; C79.2@5656,3306 C78.2@5602,3306
  Top Layer w25: C79.2@5656,3306 5656,3360 5724,3428 5764,3428 5813,3379 5813,3272 5841,3244 D1.2@5920,3244 5920,3377 5879.96,3417.04 K1.1@5879.96,3513
  Bottom Layer w10: v1(125,1860) 221,1860 v1(331,1970) ; USB_HOST.1@512.49,1554 593,1473.49 v1(593,1301) ; v1(3332,1264) 3332,1091 v1(3331,1090) 3331,811 3516,626 v2(3516,629) ; v2(3577,570) 3617,530 3617,274 ; v1(3617,223) 3617,274 ; v2(4349,169) 4238,58 3799.6,58 3771,86.6 3771,252 3749,274 3617,274 ; v1(4788,779) 4906,661 v2(4906,168.47) 5011.47,63 5107,63 5215.62,171.62 5263.34,171.62 5263.96,171 5801,171 6205,575 v1(7042,575) 7042,3451 6776,3717 5961,3717 5879.96,3635.96 K1.1@5879.96,3513 ; VOUT2.2@5597,3885 5602,3880 VOUT2.2@5600,3878
  Bottom Layer w15: v1(814,3332) 814,3582 1042,3810 3671,3810 3880,3601 3880,3540 ; v2(3774,2814) 3865,2814 v1(3867,2812) ; USB_HOST1.1@3880,3421 3880,3540 ; USB_HOST2.1@4317,3419 4317,3541 ; 4317,3542 4317,3541 ; USB_HOST3.1@4723,3416 4723,3541 ; VOUT2.2@5600,3878 5600,3785 v2(5600,3541) 4723,3541 ; 3880,3540 3881,3541 4317,3541 ; 4317,3541 4723,3541
  other v2: 284,2027
6D_INT: I.MX6UL_CORE.J2_22 JP6.14 U6.6 | length 1812.4
  Top Layer w10: v1(3447,1865) 3556.28,1865 I.MX6UL_CORE.J2_22@3557,1865.72 ; JP6.14@4201,1798 4713,1798 4894,1979 U6.6@4894,2128.52
  Bottom Layer w10: v1(3447,1865) 3607,1865 3633,1839 3973.47,1839 3975.47,1841 3994.53,1841 3996.53,1839 4081.9,1839 4083.4,1840.5 4158.5,1840.5 JP6.14@4201,1798
AGND: C7.1 C10.1 C32.1 C33.2 C34.2 C39.2 C43.2 LINE_IN.3 LINE_IN.4 PHONE.4 R26.2 R47.2 R48.2 U13.9 U13.20 U13.24 U13.28 U13.33 | length 4518.6
  Top Layer w10: v1(4517,1265) C7.1@4517,1300 ; v1(4724,1196) 4741.08,1178.92 U13.9@4759.57,1178.92 4789.08,1178.92 U13.33@4858,1110 ; C39.2@4787.5,874.31 4787.5,889.5 4848.16,950.15 v1(4848.16,951.58) U13.20@4848.16,1011.57 4848.16,1100.16 U13.33@4858,1110 ; v1(4805,1387) 4804.5,1386.5 C43.2@4804.5,1356.5 4805.75,1355.25 R48.2@4862,1355.25 ; U13.24@4926.92,1015.5 4926.92,1041.08 U13.33@4867.84,1100.16 ; U13.28@4956.42,1100.16 U13.33@4867.84,1100.16 ; v1(5021,86) 5021.18,85.82 PHONE.4@5111.2,85.82 5277.18,85.82 5299,64 5494,64 5511.6,81.6 LINE_IN.4@5608.2,81.6 5769.6,81.6 5805.03,117.03 LINE_IN.3@5883.8,117.03 ; v1(5092,1266) C34.2@5092,1299.75 R47.2@5145,1299.75 ; C32.1@5153.25,1104 5153.75,1104.5 5153.75,1133 ; C33.2@5153.75,1159 5153.75,1133 ; v1(5192,1133) 5153.75,1133 ; v1@5639.25,1258 C10.1@5675,1258 5675,1242 5685,1232 5719,1232 5732.25,1218.75 R26.2@5732.25,1198 ; U13.33@4858,1110 U13.33@4867.84,1100.16
  Bottom Layer w10: v1(4517,1265) 4586,1196 v1(4724,1196) ; v1(4805,1387) 4805,1135 v1(4804,1134) 4805,1133 4974.85,1133 4984.85,1143 5017.15,1143 5027.15,1133 v1(5192,1133) ; v1(4848.16,951.58) 5021,778.73 v1(5021,86) ; v1(5092,1266) 5161,1266 5192,1235 v1(5192,1133) ; v1(5638.25,1257) 5514.25,1133 v1(5192,1133)
AP_INT: I.MX6UL_CORE.J2_49 JP6.17 U9.7 | length 3975.5
  Top Layer w10: U9.7@2553,171 2553,106 v1(2551,104) 2632,23 4158,23 4294,159 4294,786.47 4287,793.47 4287,812.53 4294,819.53 4294,822.47 4291,825.47 4291,875.53 4294,878.53 4294,898.47 4290,902.47 4290,921.53 4381,1012.53 4381,1415 4250,1546 4153,1546 JP6.17@4101,1598 3936,1598 3888.76,1550.76 I.MX6UL_CORE.J2_49@3705.18,1550.76